# EAGLE board RedBoard-GiantPanel-v21a (EAGLE 7.5.0), part 1 of 4
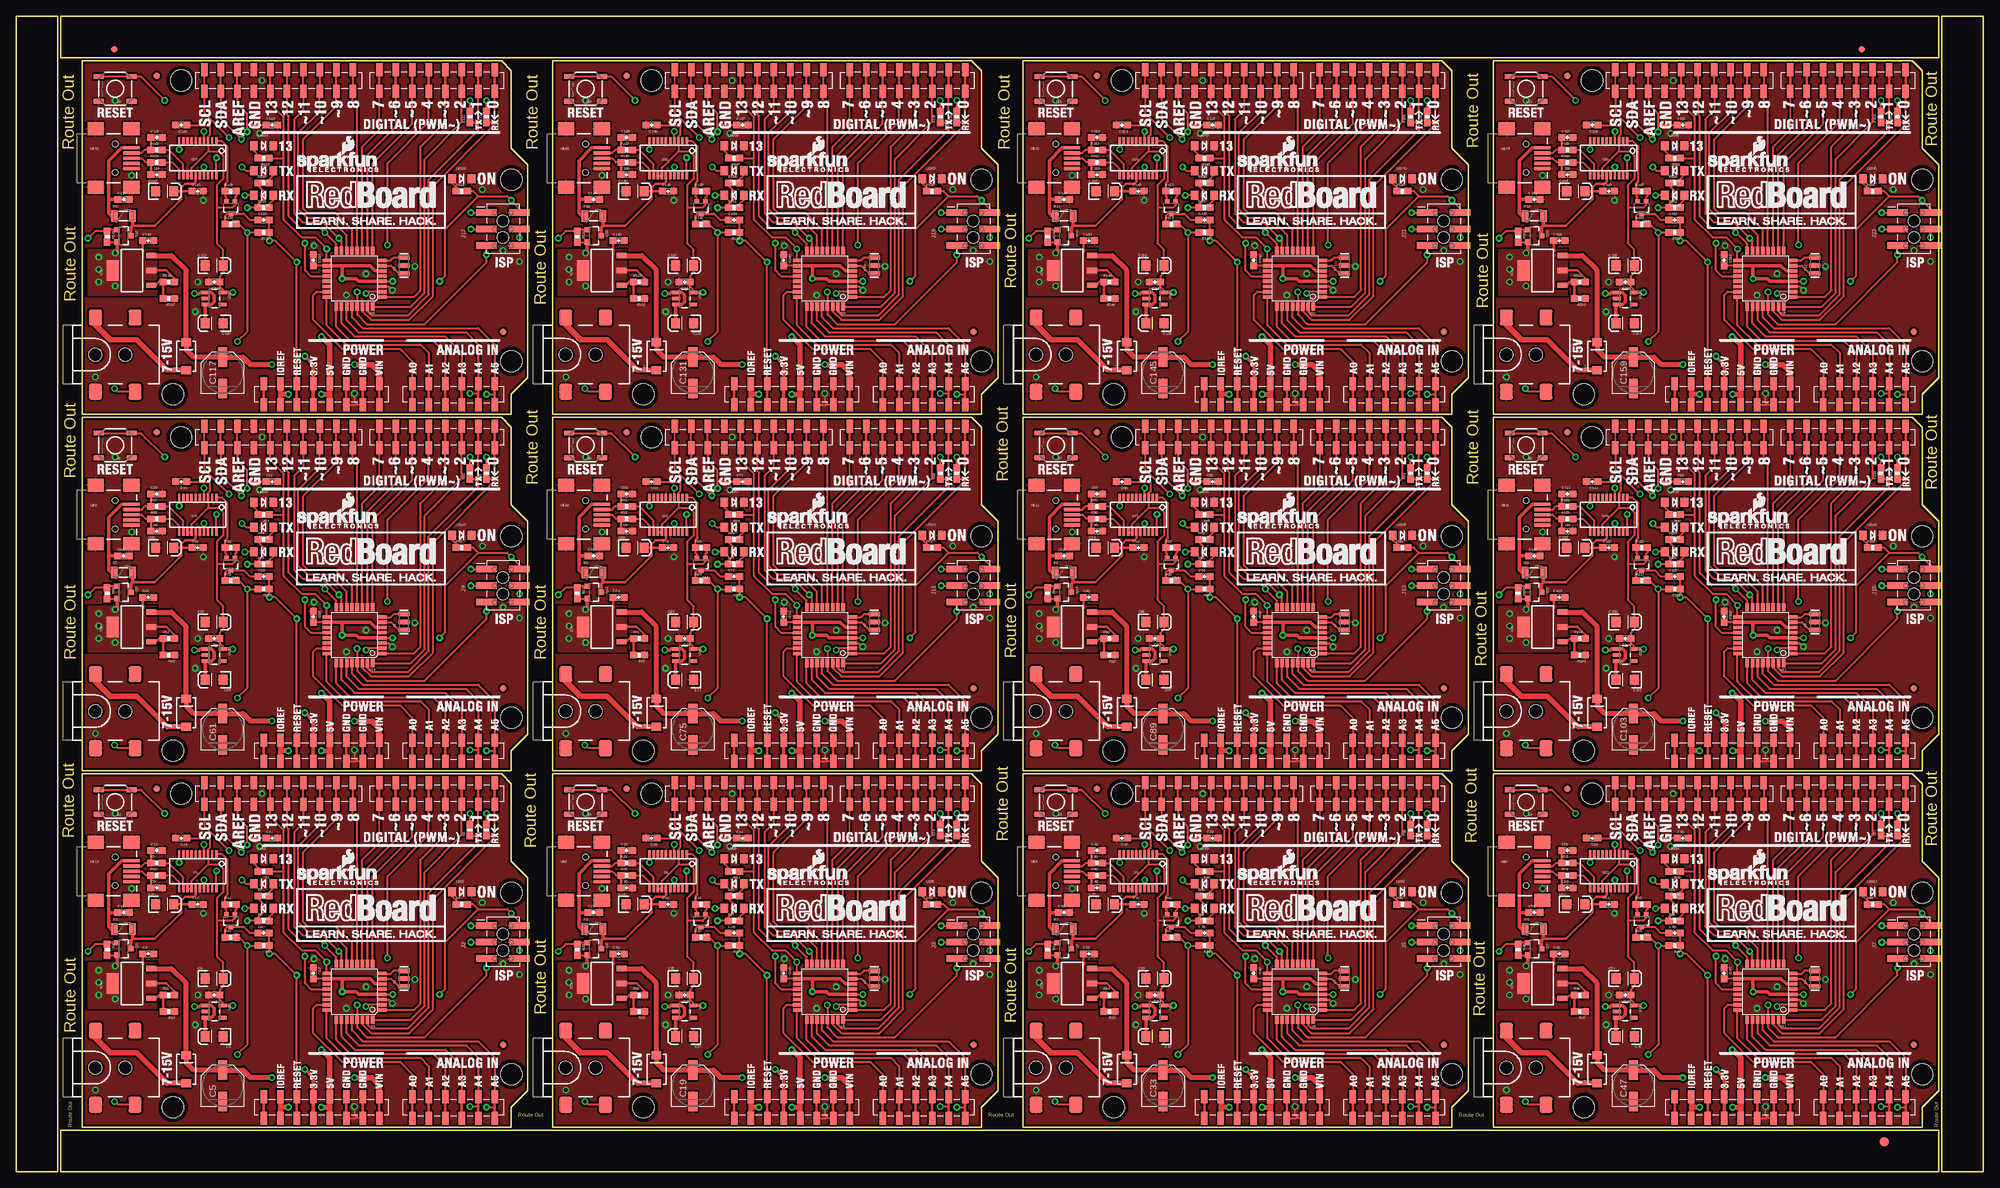
[diagram p0: board, top side]
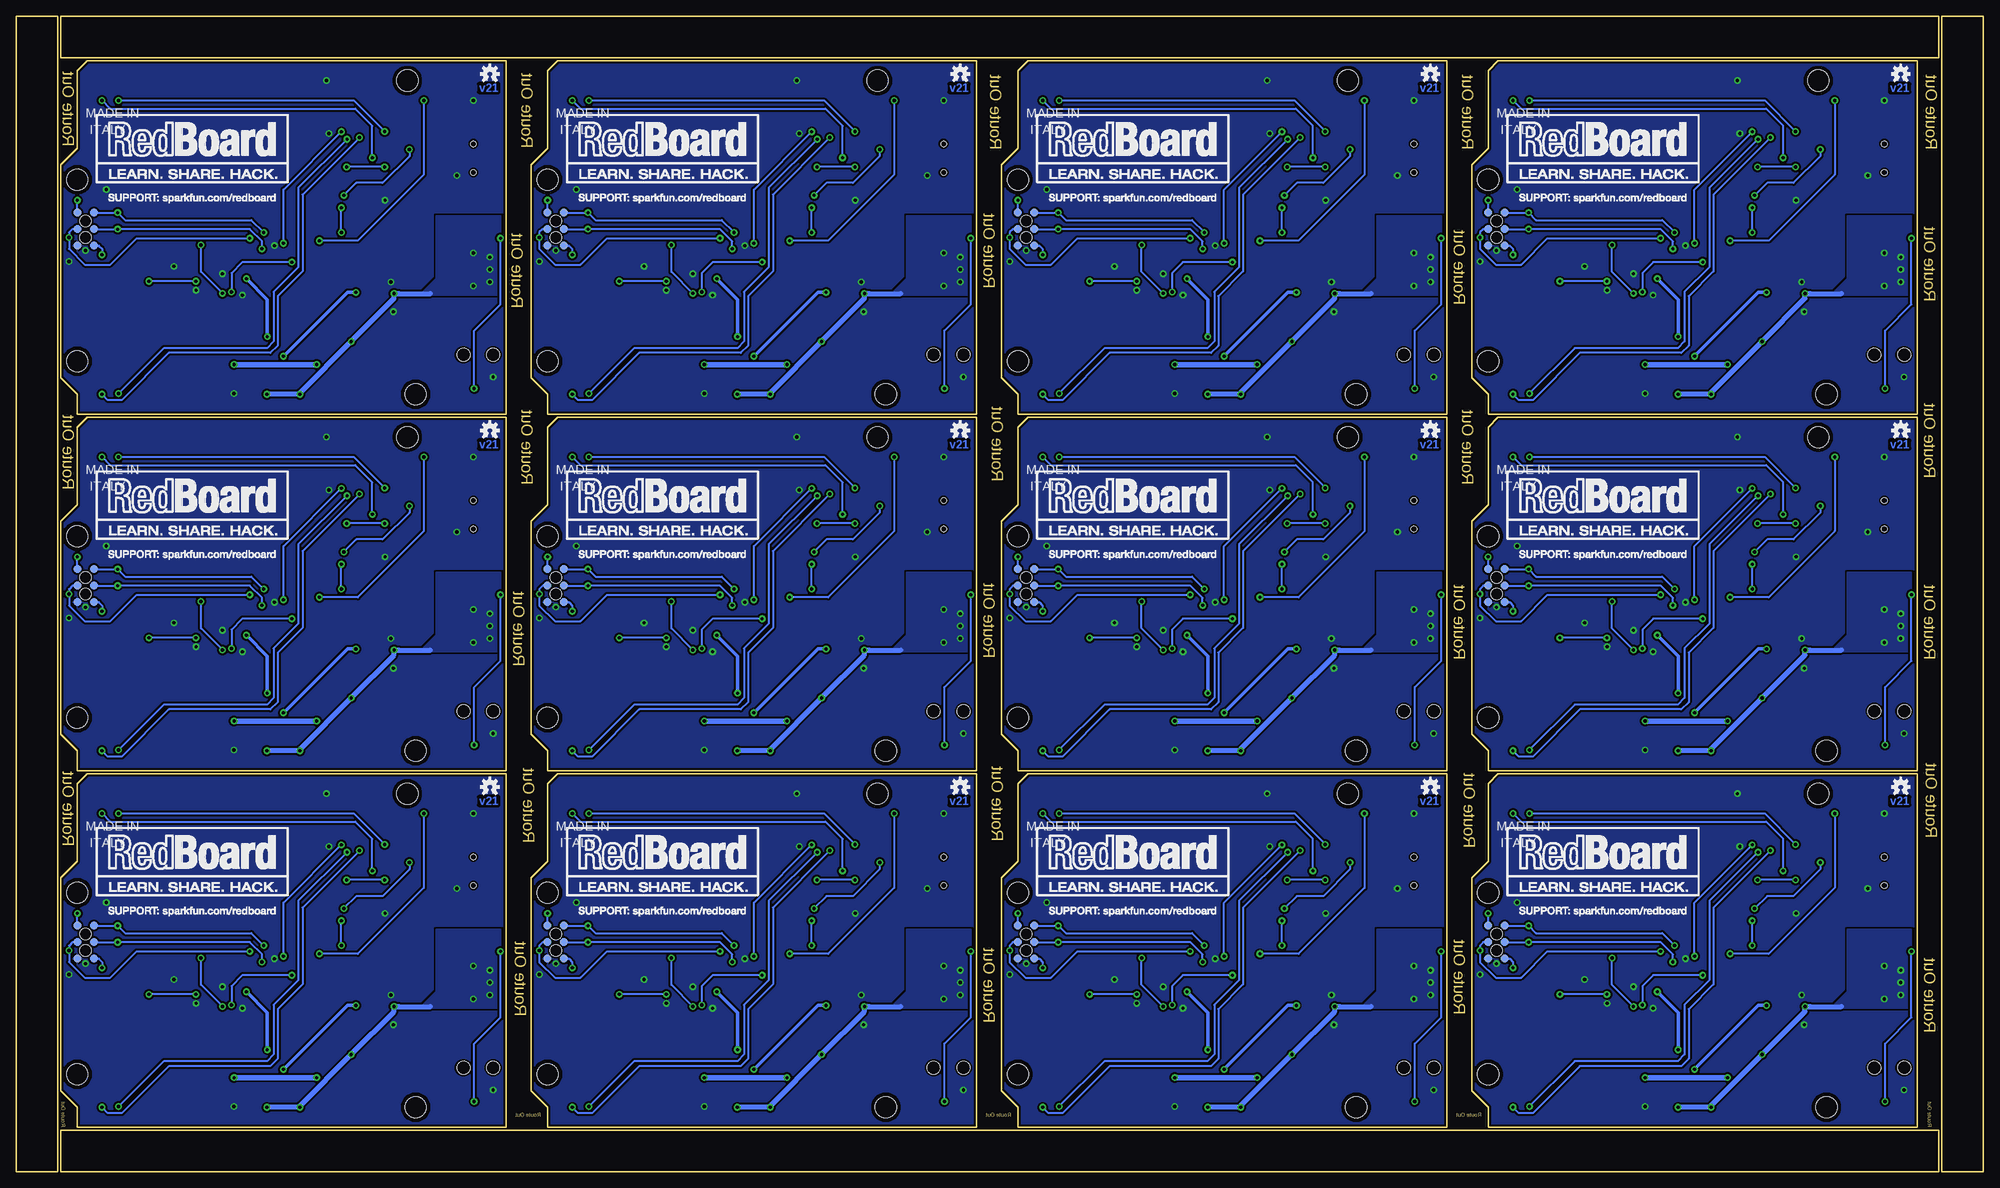
[diagram p1: board, bottom side, seen from below]

Size 302.77 x 177.8 mm. Coordinates in mm from the lower left corner, seen from the top.
Outline: 10.16,61.21 74.68,61.21 76.2,59.69 76.2,47.75 78.74,45.21 78.74,12.45 76.2,9.91 76.2,6.86 10.16,6.86 10.16,61.21
Outline: 82.55,61.21 147.07,61.21 148.59,59.69 148.59,47.75 151.13,45.21 151.13,12.45 148.59,9.91 148.59,6.86 82.55,6.86 82.55,61.21
Outline: 154.94,61.21 219.46,61.21 220.98,59.69 220.98,47.75 223.52,45.21 223.52,12.45 220.98,9.91 220.98,6.86 154.94,6.86 154.94,61.21
Outline: 227.33,61.21 291.85,61.21 293.37,59.69 293.37,47.75 295.91,45.21 295.91,12.45 293.37,9.91 293.37,6.86 227.33,6.86 227.33,61.21
Outline: 10.16,116.08 74.68,116.08 76.2,114.55 76.2,102.62 78.74,100.08 78.74,67.31 76.2,64.77 76.2,61.72 10.16,61.72 10.16,116.08
Outline: 82.55,116.08 147.07,116.08 148.59,114.55 148.59,102.62 151.13,100.08 151.13,67.31 148.59,64.77 148.59,61.72 82.55,61.72 82.55,116.08
Outline: 154.94,116.08 219.46,116.08 220.98,114.55 220.98,102.62 223.52,100.08 223.52,67.31 220.98,64.77 220.98,61.72 154.94,61.72 154.94,116.08
Outline: 227.33,116.08 291.85,116.08 293.37,114.55 293.37,102.62 295.91,100.08 295.91,67.31 293.37,64.77 293.37,61.72 227.33,61.72 227.33,116.08
Outline: 10.16,170.94 74.68,170.94 76.2,169.42 76.2,157.48 78.74,154.94 78.74,122.17 76.2,119.63 76.2,116.59 10.16,116.59 10.16,170.94
Outline: 82.55,170.94 147.07,170.94 148.59,169.42 148.59,157.48 151.13,154.94 151.13,122.17 148.59,119.63 148.59,116.59 82.55,116.59 82.55,170.94
Outline: 154.94,170.94 219.46,170.94 220.98,169.42 220.98,157.48 223.52,154.94 223.52,122.17 220.98,119.63 220.98,116.59 154.94,116.59 154.94,170.94
Outline: 227.33,170.94 291.85,170.94 293.37,169.42 293.37,157.48 295.91,154.94 295.91,122.17 293.37,119.63 293.37,116.59 227.33,116.59 227.33,170.94
Outline: 6.35,0 6.35,177.8 0,177.8 0,0 6.35,0
Outline: 6.86,6.35 6.86,0 295.91,0 295.91,6.35 6.86,6.35
Outline: 296.42,0 302.77,0 302.77,177.8 296.42,177.8 296.42,0
Outline: 295.91,171.45 295.91,177.8 6.86,177.8 6.86,171.45 295.91,171.45
Copper layers (1*16): Top 0.035mm / dielectric 1.5mm / Bottom 0.035mm
Design rules "SparkFun-2-layer": minimum track width 7mil, minimum drill 15mil, track to track 8mil, track to pad 8mil, pad to pad 8mil, via to via 8mil, smd to smd 8mil, copper to edge 8mil, drill to drill 8mil, minimum pad ring 12mil, minimum via ring 10mil, stop-mask expansion 4mil, vias tented up to drill 20mil, thermal gap 10mil
Net classes: 0 default: width 0.152 mm, drill 0.305 mm, clearance 0.152 mm
vRestrict: area 10.8,29.2 to 12.2,37.5; area 15.9,30 to 17.5,37.5; area 58,17.7 to 58.7,18.2; area 60.6,17.5 to 61.1,18.4; area 21.5,36.2 to 22.9,38.5; area 10.4,19.8 to 19.6,31.9; area 83.2,29.2 to 84.6,37.5; area 88.3,30 to 89.9,37.5; area 130.4,17.7 to 131.1,18.2; area 133,17.5 to 133.5,18.4; area 93.9,36.2 to 95.2,38.5; area 82.8,19.8 to 91.9,31.9; area 155.6,29.2 to 157,37.5; area 160.7,30 to 162.3,37.5; area 202.8,17.7 to 203.5,18.2; area 205.4,17.5 to 205.9,18.4; area 166.2,36.2 to 167.6,38.5; area 155.2,19.8 to 164.3,31.9; area 228,29.2 to 229.4,37.5; area 233,30 to 234.7,37.5; area 275.2,17.7 to 275.8,18.2; area 277.7,17.5 to 278.3,18.4; area 238.6,36.2 to 240,38.5; area 227.6,19.8 to 236.7,31.9; area 10.8,84.1 to 12.2,92.3; area 15.9,84.8 to 17.5,92.3; area 58,72.5 to 58.7,73; area 60.6,72.4 to 61.1,73.3; area 21.5,91.1 to 22.9,93.3; area 10.4,74.7 to 19.6,86.7; area 83.2,84.1 to 84.6,92.3; area 88.3,84.8 to 89.9,92.3; area 130.4,72.5 to 131.1,73; area 133,72.4 to 133.5,73.3; area 93.9,91.1 to 95.2,93.3; area 82.8,74.7 to 91.9,86.7; area 155.6,84.1 to 157,92.3; area 160.7,84.8 to 162.3,92.3; area 202.8,72.5 to 203.5,73; area 205.4,72.4 to 205.9,73.3; area 166.2,91.1 to 167.6,93.3; area 155.2,74.7 to 164.3,86.7; area 228,84.1 to 229.4,92.3; area 233,84.8 to 234.7,92.3; area 275.2,72.5 to 275.8,73; area 277.7,72.4 to 278.3,73.3; area 238.6,91.1 to 240,93.3; area 227.6,74.7 to 236.7,86.7; area 10.8,138.9 to 12.2,147.2; area 15.9,139.7 to 17.5,147.2; area 58,127.4 to 58.7,127.9; area 60.6,127.3 to 61.1,128.1; area 21.5,145.9 to 22.9,148.2; area 10.4,129.5 to 19.6,141.6; area 83.2,138.9 to 84.6,147.2; area 88.3,139.7 to 89.9,147.2; area 130.4,127.4 to 131.1,127.9; area 133,127.3 to 133.5,128.1; area 93.9,145.9 to 95.2,148.2; area 82.8,129.5 to 91.9,141.6; area 155.6,138.9 to 157,147.2; area 160.7,139.7 to 162.3,147.2; area 202.8,127.4 to 203.5,127.9; area 205.4,127.3 to 205.9,128.1; area 166.2,145.9 to 167.6,148.2; area 155.2,129.5 to 164.3,141.6; area 228,138.9 to 229.4,147.2; area 233,139.7 to 234.7,147.2; area 275.2,127.4 to 275.8,127.9; area 277.7,127.3 to 278.3,128.1; area 238.6,145.9 to 240,148.2; area 227.6,129.5 to 236.7,141.6

## Footprints (pad centres in the part's own frame; a part is rotated, then mirrored left to right if it is on the bottom)
1X06_SMD_STRAIGHT_COMBO = smd 1 x 2: 1 0,1.65; 1-2 0,-1.65; 2 -2.54,-1.65; 2-2 -2.54,1.65; 3 -5.08,1.65; 3-2 -5.08,-1.65; 4 -7.62,-1.65; 4-2 -7.62,1.65; 5 -10.16,1.65; 5-2 -10.16,-1.65; 6 -12.7,-1.65; 6-2 -12.7,1.65
0603-CAP = smd 1.1 x 1: 1 -0.85,0; 2 0.85,0
EIA3216 = smd 1.4 x 1.6: A 1.4,0; C -1.4,0
PANASONIC_D = smd 3 x 1.4: + 2.4,0; - -2.4,0
SMA-DIODE = smd 1.27 x 1.47: A -2.15,0; C 2.15,0
FIDUCIAL-1.5X3 = smd 1.5 x 1.5: 1 0,0
FIDUCIAL-1X2 = smd 1 x 1: 1 0,0
PTC-1206 = smd 1 x 1.8: 1 -1.4,0; 2 1.4,0
SOT223-ALT1 = smd 0.813 x 1.524: 1 -2.271,-3.02; 2 0,-3.02; 3 2.288,-3.02 | smd 3.124 x 1.905: 4 0,2.921
1X08_SMD_COMBINED = smd 1 x 2: 1 0,-1.65; 1@2 0,1.65; 2 -2.54,1.65; 2@2 -2.54,-1.65; 3 -5.08,-1.65; 3@2 -5.08,1.65; 4 -7.62,1.65; 4@2 -7.62,-1.65; 5 -10.16,-1.65; 5@2 -10.16,1.65; 6 -12.7,1.65; 6@2 -12.7,-1.65; 7 -15.24,-1.65; 7@2 -15.24,1.65; 8 -17.78,1.65; 8@2 -17.78,-1.65
POWER_JACK_SMD_OVERPASTE_REDBOARD_0603 = smd 2 x 2.4: GND 0,-5.7; P$4 6.1,-5.7; VIN0 0,5.7; VIN1 6.1,5.7 | hole 2.032: 0,0; 4.572,0
2X3_SMT_POSTS = smd 1 x 3.17: 1 -2.54,-2.54; 2 -2.54,2.54; 3 0,-2.54; 4 0,2.54; 5 2.54,-2.54; 6 2.54,2.54 | hole 1.8: -1.27,0; 1.27,0
1X10_SMD_COMBINED = smd 1 x 2: 1A 0,1.65; 1B 0,-1.65; 2A 2.54,1.65; 2B 2.54,-1.65; 3A 5.08,1.65; 3B 5.08,-1.65; 4A 7.62,1.65; 4B 7.62,-1.65; 5A 10.16,1.65; 5B 10.16,-1.65; 6A 12.7,1.65; 6B 12.7,-1.65; 7A 15.24,1.65; 7B 15.24,-1.65; 8A 17.78,1.65; 8B 17.78,-1.65; 9A 20.32,1.65; 9B 20.32,-1.65; 10A 22.86,1.65; 10B 22.86,-1.65
STAND-OFF = hole 3.302: 0,0
1X08_SMD_COMBINED' = smd 1 x 2: 1 0,1.65; 1@2 0,-1.65; 2 2.54,-1.65; 2@2 2.54,1.65; 3 5.08,1.65; 3@2 5.08,-1.65; 4 7.62,-1.65; 4@2 7.62,1.65; 5 10.16,1.65; 5@2 10.16,-1.65; 6 12.7,-1.65; 6@2 12.7,1.65; 7 15.24,1.65; 7@2 15.24,-1.65; 8 17.78,-1.65; 8@2 17.78,1.65
LED-1206-NO_SILK = smd 1.2 x 1.4: A -1.5,0; C 1.5,0
SOT23-3 = smd 0.8 x 0.9: 1 -0.95,-1; 2 0.95,-1; 3 0,1.1
SOT323 = smd 0.7 x 0.7: 1 -0.65,-0.925; 2 0.65,-0.925; 3 0,0.925
0603-RES = smd 1.1 x 1: 1 -0.85,0; 2 0.85,0
TACTILE_SWITCH_SMD = smd 1.524 x 0.762: 1 -2.54,1.905; 2 2.54,1.905; 3 -2.54,-1.905; 4 2.54,-1.905
PAD.03X.05 = smd 1.27 x 1.27: P$1 0,0
SSOP20_L = smd 0.381 x 1.143: 1 -2.857,-2.68; 2 -2.223,-2.68; 3 -1.587,-2.68; 4 -0.953,-2.68; 5 -0.318,-2.68; 6 0.318,-2.68; 7 0.953,-2.68; 8 1.587,-2.68; 9 2.223,-2.68; 10 2.857,-2.68; 11 2.857,2.68; 12 2.223,2.68; 13 1.587,2.68; 14 0.953,2.68; 15 0.318,2.68; 16 -0.318,2.68; 17 -0.953,2.68; 18 -1.587,2.68; 19 -2.223,2.68; 20 -2.857,2.68
SOT23-5 = smd 0.55 x 1.2: 1 -0.95,-1.3; 2 0,-1.3; 3 0.95,-1.3; 4 0.95,1.3; 5 -0.95,1.3
TQFP32-08 = smd 1.27 x 0.559: 1 -4.293,2.8; 2 -4.293,2; 3 -4.293,1.2; 4 -4.293,0.4; 5 -4.293,-0.4; 6 -4.293,-1.2; 7 -4.293,-2; 8 -4.293,-2.8; 17 4.293,-2.8; 18 4.293,-2; 19 4.293,-1.2; 20 4.293,-0.4; 21 4.293,0.4; 22 4.293,1.2; 23 4.293,2; 24 4.293,2.8 | smd 0.559 x 1.27: 9 -2.8,-4.293; 10 -2,-4.293; 11 -1.2,-4.293; 12 -0.4,-4.293; 13 0.4,-4.293; 14 1.2,-4.293; 15 2,-4.293; 16 2.8,-4.293; 25 2.8,4.293; 26 2,4.293; 27 1.2,4.293; 28 0.4,4.293; 29 -0.4,4.293; 30 -1.2,4.293; 31 -2,4.293; 32 -2.8,4.293
USB-MINIB = smd 2.5 x 0.5: D+ 2.5,0; D- 2.5,0.8; GND 2.5,-1.6; ID 2.5,-0.8; VBUS 2.5,1.6 | smd 2.5 x 2: MTN1 -3,4.5; MTN2 2.5,4.5; MTN3 -3,-4.5; MTN4 2.5,-4.5 | hole 0.9: 0,2.2; 0,-2.2
RESONATOR-SMD = smd 0.7 x 1.7: 1 -1.2,0; 2 0,0; 3 1.2,0

## Placement (x,y rotation side)
AD  [1X06_SMD_STRAIGHT_COMBO]  60.96,9.91 180 top
AD1  [1X06_SMD_STRAIGHT_COMBO]  133.35,9.91 180 top
AD2  [1X06_SMD_STRAIGHT_COMBO]  205.74,9.91 180 top
AD3  [1X06_SMD_STRAIGHT_COMBO]  278.13,9.91 180 top
AD4  [1X06_SMD_STRAIGHT_COMBO]  60.96,64.77 180 top
AD5  [1X06_SMD_STRAIGHT_COMBO]  133.35,64.77 180 top
AD6  [1X06_SMD_STRAIGHT_COMBO]  205.74,64.77 180 top
AD7  [1X06_SMD_STRAIGHT_COMBO]  278.13,64.77 180 top
AD8  [1X06_SMD_STRAIGHT_COMBO]  60.96,119.63 180 top
AD9  [1X06_SMD_STRAIGHT_COMBO]  133.35,119.63 180 top
AD10  [1X06_SMD_STRAIGHT_COMBO]  205.74,119.63 180 top
AD11  [1X06_SMD_STRAIGHT_COMBO]  278.13,119.63 180 top
C1  0.1uF  [0603-CAP]  39.37,51.31 0 top
C2  0.1uF  [0603-CAP]  45.72,30.54 270 top
C3  10uF  [EIA3216]  30.48,20.83 180 top
C4  0.1uF  [0603-CAP]  20.32,33.53 0 top
C5  47uF  [PANASONIC_D]  31.75,13.21 90 top
C6  10uF  [EIA3216]  30.48,29.72 0 top
C7  1uF  [0603-CAP]  30.48,27.18 180 top
C8  0.1uF  [0603-CAP]  38.1,36.7 0 top
C9  47pF  [0603-CAP]  21.59,43.69 0 top
C10  0.1uF  [0603-CAP]  16.51,39.88 0 top
C11  0.1uF  [0603-CAP]  111.76,51.31 0 top
C12  0.1uF  [0603-CAP]  27.94,41.15 0 top
C13  47pF  [0603-CAP]  21.59,49.4 0 top
C14  0.1uF  [0603-CAP]  25.4,51.31 180 top
C15  10uF  [EIA3216]  22.86,41.15 0 top
C16  0.1uF  [0603-CAP]  118.11,30.54 270 top
C17  10uF  [EIA3216]  102.87,20.83 180 top
C18  0.1uF  [0603-CAP]  92.71,33.53 0 top
C19  47uF  [PANASONIC_D]  104.14,13.21 90 top
C20  1uF  [0603-CAP]  102.87,27.18 180 top
C21  0.1uF  [0603-CAP]  110.49,36.7 0 top
C22  0.1uF  [0603-CAP]  88.9,39.88 0 top
C23  0.1uF  [0603-CAP]  100.33,41.15 0 top
C24  10uF  [EIA3216]  95.25,41.15 0 top
C25  10uF  [EIA3216]  102.87,29.72 0 top
C26  47pF  [0603-CAP]  93.98,43.69 0 top
C27  47pF  [0603-CAP]  93.98,49.4 0 top
C28  0.1uF  [0603-CAP]  97.79,51.31 180 top
C29  0.1uF  [0603-CAP]  184.15,51.31 0 top
C30  0.1uF  [0603-CAP]  190.5,30.54 270 top
C31  10uF  [EIA3216]  175.26,20.83 180 top
C32  0.1uF  [0603-CAP]  165.1,33.53 0 top
C33  47uF  [PANASONIC_D]  176.53,13.21 90 top
C34  1uF  [0603-CAP]  175.26,27.18 180 top
C35  0.1uF  [0603-CAP]  182.88,36.7 0 top
C36  0.1uF  [0603-CAP]  161.29,39.88 0 top
C37  0.1uF  [0603-CAP]  172.72,41.15 0 top
C38  10uF  [EIA3216]  167.64,41.15 0 top
C39  10uF  [EIA3216]  175.26,29.72 0 top
C40  47pF  [0603-CAP]  166.37,43.69 0 top
C41  47pF  [0603-CAP]  166.37,49.4 0 top
C42  0.1uF  [0603-CAP]  170.18,51.31 180 top
C43  0.1uF  [0603-CAP]  256.54,51.31 0 top
C44  0.1uF  [0603-CAP]  262.89,30.54 270 top
C45  10uF  [EIA3216]  247.65,20.83 180 top
C46  0.1uF  [0603-CAP]  237.49,33.53 0 top
C47  47uF  [PANASONIC_D]  248.92,13.21 90 top
C48  1uF  [0603-CAP]  247.65,27.18 180 top
C49  0.1uF  [0603-CAP]  255.27,36.7 0 top
C50  0.1uF  [0603-CAP]  233.68,39.88 0 top
C51  0.1uF  [0603-CAP]  245.11,41.15 0 top
C52  10uF  [EIA3216]  240.03,41.15 0 top
C53  10uF  [EIA3216]  247.65,29.72 0 top
C54  47pF  [0603-CAP]  238.76,43.69 0 top
C55  47pF  [0603-CAP]  238.76,49.4 0 top
C56  0.1uF  [0603-CAP]  242.57,51.31 180 top
C57  0.1uF  [0603-CAP]  39.37,106.17 0 top
C58  0.1uF  [0603-CAP]  45.72,85.4 270 top
C59  10uF  [EIA3216]  30.48,75.69 180 top
C60  0.1uF  [0603-CAP]  20.32,88.39 0 top
C61  47uF  [PANASONIC_D]  31.75,68.07 90 top
C62  1uF  [0603-CAP]  30.48,82.04 180 top
C63  0.1uF  [0603-CAP]  38.1,91.57 0 top
C64  0.1uF  [0603-CAP]  16.51,94.74 0 top
C65  0.1uF  [0603-CAP]  27.94,96.01 0 top
C66  10uF  [EIA3216]  22.86,96.01 0 top
C67  10uF  [EIA3216]  30.48,84.58 0 top
C68  47pF  [0603-CAP]  21.59,98.55 0 top
C69  47pF  [0603-CAP]  21.59,104.27 0 top
C70  0.1uF  [0603-CAP]  25.4,106.17 180 top
C71  0.1uF  [0603-CAP]  111.76,106.17 0 top
C72  0.1uF  [0603-CAP]  118.11,85.4 270 top
C73  10uF  [EIA3216]  102.87,75.69 180 top
C74  0.1uF  [0603-CAP]  92.71,88.39 0 top
C75  47uF  [PANASONIC_D]  104.14,68.07 90 top
C76  1uF  [0603-CAP]  102.87,82.04 180 top
C77  0.1uF  [0603-CAP]  110.49,91.57 0 top
C78  0.1uF  [0603-CAP]  88.9,94.74 0 top
C79  0.1uF  [0603-CAP]  100.33,96.01 0 top
C80  10uF  [EIA3216]  95.25,96.01 0 top
C81  10uF  [EIA3216]  102.87,84.58 0 top
C82  47pF  [0603-CAP]  93.98,98.55 0 top
C83  47pF  [0603-CAP]  93.98,104.27 0 top
C84  0.1uF  [0603-CAP]  97.79,106.17 180 top
C85  0.1uF  [0603-CAP]  184.15,106.17 0 top
C86  0.1uF  [0603-CAP]  190.5,85.4 270 top
C87  10uF  [EIA3216]  175.26,75.69 180 top
C88  0.1uF  [0603-CAP]  165.1,88.39 0 top
C89  47uF  [PANASONIC_D]  176.53,68.07 90 top
C90  1uF  [0603-CAP]  175.26,82.04 180 top
C91  0.1uF  [0603-CAP]  182.88,91.57 0 top
C92  0.1uF  [0603-CAP]  161.29,94.74 0 top
C93  0.1uF  [0603-CAP]  172.72,96.01 0 top
C94  10uF  [EIA3216]  167.64,96.01 0 top
C95  10uF  [EIA3216]  175.26,84.58 0 top
C96  47pF  [0603-CAP]  166.37,98.55 0 top
C97  47pF  [0603-CAP]  166.37,104.27 0 top
C98  0.1uF  [0603-CAP]  170.18,106.17 180 top
C99  0.1uF  [0603-CAP]  256.54,106.17 0 top
C100  0.1uF  [0603-CAP]  262.89,85.4 270 top
C101  10uF  [EIA3216]  247.65,75.69 180 top
C102  0.1uF  [0603-CAP]  237.49,88.39 0 top
C103  47uF  [PANASONIC_D]  248.92,68.07 90 top
C104  1uF  [0603-CAP]  247.65,82.04 180 top
C105  0.1uF  [0603-CAP]  255.27,91.57 0 top
C106  0.1uF  [0603-CAP]  233.68,94.74 0 top
C107  0.1uF  [0603-CAP]  245.11,96.01 0 top
C108  10uF  [EIA3216]  240.03,96.01 0 top
C109  10uF  [EIA3216]  247.65,84.58 0 top
C110  47pF  [0603-CAP]  238.76,98.55 0 top
C111  47pF  [0603-CAP]  238.76,104.27 0 top
C112  0.1uF  [0603-CAP]  242.57,106.17 180 top
C113  0.1uF  [0603-CAP]  39.37,161.04 0 top
C114  0.1uF  [0603-CAP]  45.72,140.26 270 top
C115  10uF  [EIA3216]  30.48,130.56 180 top
C116  0.1uF  [0603-CAP]  20.32,143.26 0 top
C117  47uF  [PANASONIC_D]  31.75,122.94 90 top
C118  1uF  [0603-CAP]  30.48,136.91 180 top
C119  0.1uF  [0603-CAP]  38.1,146.43 0 top
C120  0.1uF  [0603-CAP]  16.51,149.61 0 top
C121  0.1uF  [0603-CAP]  27.94,150.88 0 top
C122  10uF  [EIA3216]  22.86,150.88 0 top
C123  10uF  [EIA3216]  30.48,139.45 0 top
C124  47pF  [0603-CAP]  21.59,153.42 0 top
C125  47pF  [0603-CAP]  21.59,159.13 0 top
C126  0.1uF  [0603-CAP]  25.4,161.04 180 top
C127  0.1uF  [0603-CAP]  111.76,161.04 0 top
C128  0.1uF  [0603-CAP]  118.11,140.26 270 top
C129  10uF  [EIA3216]  102.87,130.56 180 top
C130  0.1uF  [0603-CAP]  92.71,143.26 0 top
C131  47uF  [PANASONIC_D]  104.14,122.94 90 top
C132  1uF  [0603-CAP]  102.87,136.91 180 top
C133  0.1uF  [0603-CAP]  110.49,146.43 0 top
C134  0.1uF  [0603-CAP]  88.9,149.61 0 top
C135  0.1uF  [0603-CAP]  100.33,150.88 0 top
C136  10uF  [EIA3216]  95.25,150.88 0 top
C137  10uF  [EIA3216]  102.87,139.45 0 top
C138  47pF  [0603-CAP]  93.98,153.42 0 top
C139  47pF  [0603-CAP]  93.98,159.13 0 top
C140  0.1uF  [0603-CAP]  97.79,161.04 180 top
C141  0.1uF  [0603-CAP]  184.15,161.04 0 top
C142  0.1uF  [0603-CAP]  190.5,140.26 270 top
C143  10uF  [EIA3216]  175.26,130.56 180 top
C144  0.1uF  [0603-CAP]  165.1,143.26 0 top
C145  47uF  [PANASONIC_D]  176.53,122.94 90 top
C146  1uF  [0603-CAP]  175.26,136.91 180 top
C147  0.1uF  [0603-CAP]  182.88,146.43 0 top
C148  0.1uF  [0603-CAP]  161.29,149.61 0 top
C149  0.1uF  [0603-CAP]  172.72,150.88 0 top
C150  10uF  [EIA3216]  167.64,150.88 0 top
C151  10uF  [EIA3216]  175.26,139.45 0 top
C152  47pF  [0603-CAP]  166.37,153.42 0 top
C153  47pF  [0603-CAP]  166.37,159.13 0 top
C154  0.1uF  [0603-CAP]  170.18,161.04 180 top
C155  0.1uF  [0603-CAP]  256.54,161.04 0 top
C156  0.1uF  [0603-CAP]  262.89,140.26 270 top
C157  10uF  [EIA3216]  247.65,130.56 180 top
C158  0.1uF  [0603-CAP]  237.49,143.26 0 top
C159  47uF  [PANASONIC_D]  248.92,122.94 90 top
C160  1uF  [0603-CAP]  247.65,136.91 180 top
C161  0.1uF  [0603-CAP]  255.27,146.43 0 top
C162  0.1uF  [0603-CAP]  233.68,149.61 0 top
C163  0.1uF  [0603-CAP]  245.11,150.88 0 top
C164  10uF  [EIA3216]  240.03,150.88 0 top
C165  10uF  [EIA3216]  247.65,139.45 0 top
C166  47pF  [0603-CAP]  238.76,153.42 0 top
C167  47pF  [0603-CAP]  238.76,159.13 0 top
C168  0.1uF  [0603-CAP]  242.57,161.04 180 top
D1  MBRA140  [SMA-DIODE]  26.16,15.75 90 top
D2  MBRA140  [SMA-DIODE]  98.55,15.75 90 top
D3  MBRA140  [SMA-DIODE]  170.94,15.75 90 top
D4  MBRA140  [SMA-DIODE]  243.33,15.75 90 top
D5  MBRA140  [SMA-DIODE]  26.16,70.61 90 top
D6  MBRA140  [SMA-DIODE]  98.55,70.61 90 top
D7  MBRA140  [SMA-DIODE]  170.94,70.61 90 top
D8  MBRA140  [SMA-DIODE]  243.33,70.61 90 top
D9  MBRA140  [SMA-DIODE]  26.16,125.48 90 top
D10  MBRA140  [SMA-DIODE]  98.55,125.48 90 top
D11  MBRA140  [SMA-DIODE]  170.94,125.48 90 top
D12  MBRA140  [SMA-DIODE]  243.33,125.48 90 top
E$1  [FIDUCIAL-1.5X3]  287.53,4.57 0 top
E$4  [FIDUCIAL-1X2]  284.1,172.72 0 top
E$5  [FIDUCIAL-1X2]  15.11,172.72 180 top
F1  500mA  [PTC-1206]  16.51,37.34 0 top
F2  500mA  [PTC-1206]  88.9,37.34 0 top
F3  500mA  [PTC-1206]  161.29,37.34 0 top
F4  500mA  [PTC-1206]  233.68,37.34 0 top
F5  500mA  [PTC-1206]  16.51,92.2 0 top
F6  500mA  [PTC-1206]  88.9,92.2 0 top
F7  500mA  [PTC-1206]  161.29,92.2 0 top
F8  500mA  [PTC-1206]  233.68,92.2 0 top
F9  500mA  [PTC-1206]  16.51,147.07 0 top
F10  500mA  [PTC-1206]  88.9,147.07 0 top
F11  500mA  [PTC-1206]  161.29,147.07 0 top
F12  500mA  [PTC-1206]  233.68,147.07 0 top
IC1  LM1117  [SOT223-ALT1]  90.17,28.96 90 top
IC2  LM1117  [SOT223-ALT1]  162.56,28.96 90 top
IC3  LM1117  [SOT223-ALT1]  17.78,28.96 90 top
IC4  LM1117  [SOT223-ALT1]  234.95,28.96 90 top
IC5  LM1117  [SOT223-ALT1]  17.78,83.82 90 top
IC6  LM1117  [SOT223-ALT1]  90.17,83.82 90 top
IC7  LM1117  [SOT223-ALT1]  162.56,83.82 90 top
IC8  LM1117  [SOT223-ALT1]  234.95,83.82 90 top
IC9  LM1117  [SOT223-ALT1]  17.78,138.68 90 top
IC10  LM1117  [SOT223-ALT1]  90.17,138.68 90 top
IC11  LM1117  [SOT223-ALT1]  162.56,138.68 90 top
IC12  LM1117  [SOT223-ALT1]  234.95,138.68 90 top
IOL  [1X08_SMD_COMBINED]  73.66,58.17 0 top
IOL1  [1X08_SMD_COMBINED]  146.05,58.17 0 top
IOL2  [1X08_SMD_COMBINED]  218.44,58.17 0 top
IOL3  [1X08_SMD_COMBINED]  290.83,58.17 0 top
IOL4  [1X08_SMD_COMBINED]  73.66,113.03 0 top
IOL5  [1X08_SMD_COMBINED]  146.05,113.03 0 top
IOL6  [1X08_SMD_COMBINED]  218.44,113.03 0 top
IOL7  [1X08_SMD_COMBINED]  290.83,113.03 0 top
IOL8  [1X08_SMD_COMBINED]  73.66,167.89 0 top
IOL9  [1X08_SMD_COMBINED]  146.05,167.89 0 top
IOL10  [1X08_SMD_COMBINED]  218.44,167.89 0 top
IOL11  [1X08_SMD_COMBINED]  290.83,167.89 0 top
J1  POWER_JACKOVERPASTE_REDBOARD_0603  [POWER_JACK_SMD_OVERPASTE_REDBOARD_0603]  12.19,16 0 top
J2  ICSP  [2X3_SMT_POSTS]  74.93,35.31 270 top
J3  ICSP  [2X3_SMT_POSTS]  147.32,35.31 270 top
J4  POWER_JACKOVERPASTE_REDBOARD_0603  [POWER_JACK_SMD_OVERPASTE_REDBOARD_0603]  84.58,16 0 top
J5  ICSP  [2X3_SMT_POSTS]  219.71,35.31 270 top
J6  POWER_JACKOVERPASTE_REDBOARD_0603  [POWER_JACK_SMD_OVERPASTE_REDBOARD_0603]  156.97,16 0 top
J7  ICSP  [2X3_SMT_POSTS]  292.1,35.31 270 top
J8  POWER_JACKOVERPASTE_REDBOARD_0603  [POWER_JACK_SMD_OVERPASTE_REDBOARD_0603]  229.36,16 0 top
J9  ICSP  [2X3_SMT_POSTS]  74.93,90.17 270 top
J10  POWER_JACKOVERPASTE_REDBOARD_0603  [POWER_JACK_SMD_OVERPASTE_REDBOARD_0603]  12.19,70.87 0 top
J11  ICSP  [2X3_SMT_POSTS]  147.32,90.17 270 top
J12  POWER_JACKOVERPASTE_REDBOARD_0603  [POWER_JACK_SMD_OVERPASTE_REDBOARD_0603]  84.58,70.87 0 top
J13  ICSP  [2X3_SMT_POSTS]  219.71,90.17 270 top
J14  POWER_JACKOVERPASTE_REDBOARD_0603  [POWER_JACK_SMD_OVERPASTE_REDBOARD_0603]  156.97,70.87 0 top
J15  ICSP  [2X3_SMT_POSTS]  292.1,90.17 270 top
J16  POWER_JACKOVERPASTE_REDBOARD_0603  [POWER_JACK_SMD_OVERPASTE_REDBOARD_0603]  229.36,70.87 0 top
J17  ICSP  [2X3_SMT_POSTS]  74.93,145.03 270 top
J18  POWER_JACKOVERPASTE_REDBOARD_0603  [POWER_JACK_SMD_OVERPASTE_REDBOARD_0603]  12.19,125.73 0 top
J19  ICSP  [2X3_SMT_POSTS]  147.32,145.03 270 top
J20  POWER_JACKOVERPASTE_REDBOARD_0603  [POWER_JACK_SMD_OVERPASTE_REDBOARD_0603]  84.58,125.73 0 top
J21  ICSP  [2X3_SMT_POSTS]  219.71,145.03 270 top
J22  POWER_JACKOVERPASTE_REDBOARD_0603  [POWER_JACK_SMD_OVERPASTE_REDBOARD_0603]  156.97,125.73 0 top
J23  ICSP  [2X3_SMT_POSTS]  292.1,145.03 270 top
J24  POWER_JACKOVERPASTE_REDBOARD_0603  [POWER_JACK_SMD_OVERPASTE_REDBOARD_0603]  229.36,125.73 0 top
JP1  LOGO-SFENW2  [SFE-NEW-WEB]  43.21,44.07 0 top
JP2  M10SMD_COMBO  [1X10_SMD_COMBINED]  28.96,58.17 0 top
JP3  STAND-OFF  [STAND-OFF]  24.13,9.91 0 top
JP4  STAND-OFF  [STAND-OFF]  76.2,14.99 0 top
JP5  STAND-OFF  [STAND-OFF]  76.2,42.93 0 top
JP6  STAND-OFF  [STAND-OFF]  25.4,58.17 0 top
JP7  LOGO-SFESK  [SFE-LOGO-FLAME]  50.19,46.74 0 top
JP8  FIDUCIAL1X2  [FIDUCIAL-1X2]  74.93,19.56 0 top
JP9  FIDUCIAL1X2  [FIDUCIAL-1X2]  21.59,58.93 0 top
JP10  [1X08_SMD_COMBINED']  55.88,9.91 180 top